# Altium PCB PCB3_factory.PcbDoc (part 3 of 3)
Units mil, origin at the board's own origin, x right, y up, seen from the top; angles counter-clockwise.
Board outline 3547.27 x 5122.08 mil, 2 copper layers (Top Layer, Bottom Layer); 55 components, 55 nets, 298 pads, 89 vias.
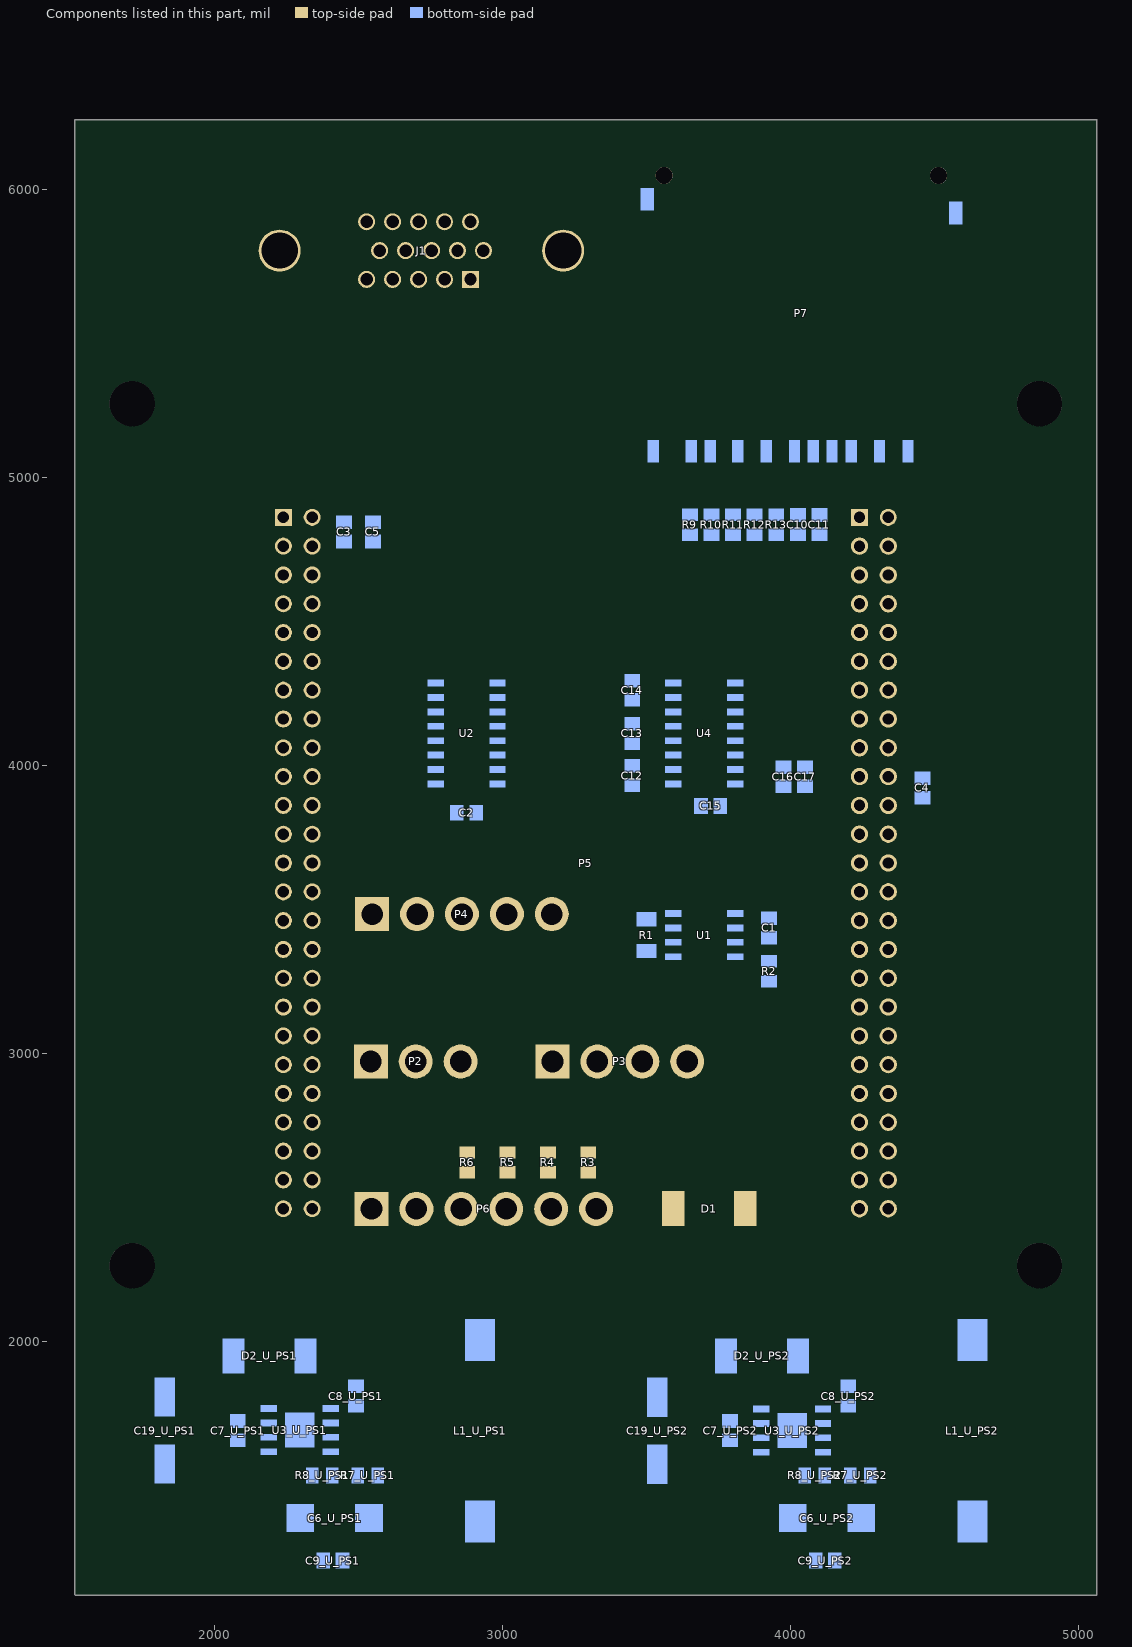
[diagram p3: the components of this part, seen from the top]

## Via types
v1: diameter 35.43/35.43 (per signal layer), hole 11.81, Top Layer to Bottom Layer, tented both sides, 63 vias
v2: diameter 47.24/47.24 (per signal layer), hole 19.68, Top Layer to Bottom Layer, tented both sides, 14 vias
v3: diameter 35.43, hole 11.81, Top Layer to Bottom Layer, tented both sides, 12 vias

## Nets (pads, with @x,y where several pads share a name; then routed paths per layer and width w, separated by ;. In a path a pad name is that pad's centre, name@x,y a point inside that pad or via, vN(x,y) a via of type N, cw(c..) or ccw(c..) an arc to the next point about the centre after c; other vN are vias at no path point) (continued)
copper on no net: (continued)
  Bottom Layer w1: 1866.05,3105 1866.05,3488 ; 1866.05,3493 1866.05,3502 ; 1866.05,3507 1866.05,3509 ; 1866.05,3546 1866.05,3566 ; 1866.05,3570 1866.05,3603 ; 1866.05,3608 1866.05,3726 ; 1867.05,3105 1867.05,3488 ; 1867.05,3493 1867.05,3502 ; 1867.05,3507 1867.05,3510 ; 1867.05,3547 1867.05,3560 ; 1867.05,3563 1867.05,3565 ; 1867.05,3570 1867.05,3603 ; 1867.05,3608 1867.05,3726 ; 1868.05,3105 1868.05,3488 ; 1868.05,3494 1868.05,3501 ; 1868.05,3507 1868.05,3511 ; 1868.05,3547 1868.05,3560 ; 1868.05,3564 1868.05,3565 ; 1868.05,3570 1868.05,3604 ; 1868.05,3609 1868.05,3726 ; 1869.05,3105 1869.05,3488 ; 1869.05,3494 1869.05,3501 ; 1869.05,3507 1869.05,3512 ; 1869.05,3547 1869.05,3560 ; 1869.05,3564 1869.05,3565 ; 1869.05,3570 1869.05,3604 ; 1869.05,3610 1869.05,3726 ; 1870.05,3105 1870.05,3489 ; 1870.05,3494 1870.05,3501 ; 1870.05,3506 1870.05,3512 ; 1870.05,3547 1870.05,3560 ; 1870.05,3564 1870.05,3565 ; 1870.05,3570 1870.05,3605 ; 1870.05,3611 1870.05,3726 ; 1871.05,3105 1871.05,3489 ; 1871.05,3494 1871.05,3501 ; 1871.05,3506 1871.05,3513 ; 1871.05,3547 1871.05,3560 ; 1871.05,3569 1871.05,3605 ; 1871.05,3612 1871.05,3726 ; 1872.05,3105 1872.05,3489 ; 1872.05,3494 1872.05,3501 ; 1872.05,3506 1872.05,3514 ; 1872.05,3547 1872.05,3560 ; 1872.05,3569 1872.05,3606 ; 1872.05,3614 1872.05,3726 ; 1873.05,3105 1873.05,3489 ; 1873.05,3494 1873.05,3501 ; 1873.05,3505 1873.05,3515 ; 1873.05,3547 1873.05,3560 ; 1873.05,3569 1873.05,3607 ; 1873.05,3618 1873.05,3726 ; 1874.05,3105 1874.05,3489 ; 1874.05,3494 1874.05,3501 ; 1874.05,3505 1874.05,3516 ; 1874.05,3547 1874.05,3560 ; 1874.05,3568 1874.05,3607 ; 1874.05,3621 1874.05,3726 ; 1875.05,3105 1875.05,3489 ; 1875.05,3494 1875.05,3500 ; 1875.05,3505 1875.05,3516 ; 1875.05,3547 1875.05,3560 ; 1875.05,3568 1875.05,3608 ; 1875.05,3625 1875.05,3726 ; 1876.05,3105 1876.05,3488 ; 1876.05,3494 1876.05,3500 ; 1876.05,3505 1876.05,3517 ; 1876.05,3547 1876.05,3560 ; 1876.05,3568 1876.05,3609 ; 1876.05,3629 1876.05,3726 ; 1877.05,3105 1877.05,3488 ; 1877.05,3494 1877.05,3500 ; 1877.05,3505 1877.05,3518 ; 1877.05,3547 1877.05,3561 ; 1877.05,3567 1877.05,3609 ; 1877.05,3633 1877.05,3726 ; 1878.05,3105 1878.05,3488 ; 1878.05,3493 1878.05,3500 ; 1878.05,3505 1878.05,3519 ; 1878.05,3547 1878.05,3561 ; 1878.05,3567 1878.05,3610 ; 1878.05,3616 1878.05,3619 ; 1878.05,3637 1878.05,3726 ; 1879.05,3105 1879.05,3488 ; 1879.05,3493 1879.05,3500 ; 1879.05,3505 1879.05,3519 ; 1879.05,3548 1879.05,3561 ; 1879.05,3566 1879.05,3611 ; 1879.05,3617 1879.05,3623 ; 1879.05,3643 1879.05,3726 ; 1880.05,3105 1880.05,3487 ; 1880.05,3493 1880.05,3501 ; 1880.05,3505 1880.05,3520 ; 1880.05,3548 1880.05,3561 ; 1880.05,3566 1880.05,3611 ; 1880.05,3618 1880.05,3627 ; 1880.05,3649 1880.05,3726 ; 1881.05,3105 1881.05,3487 ; 1881.05,3493 1881.05,3501 ; 1881.05,3505 1881.05,3521 ; 1881.05,3548 1881.05,3561 ; 1881.05,3567 1881.05,3612 ; 1881.05,3619 1881.05,3630 ; 1881.05,3655 1881.05,3726 ; 1882.05,3105 1882.05,3487 ; 1882.05,3493 1882.05,3501 ; 1882.05,3505 1882.05,3522 ; 1882.05,3548 1882.05,3561 ; 1882.05,3567 1882.05,3613 ; 1882.05,3619 1882.05,3634 ; 1882.05,3665 1882.05,3680 ; 1882.05,3690 1882.05,3726 ; 1883.05,3105 1883.05,3487 ; 1883.05,3493 1883.05,3501 ; 1883.05,3505 1883.05,3519 ; 1883.05,3521 1883.05,3523 ; 1883.05,3548 1883.05,3561 ; 1883.05,3567 1883.05,3614 ; 1883.05,3619 1883.05,3639 ; 1883.05,3690 1883.05,3726 ; 1884.05,3105 1884.05,3487 ; 1884.05,3493 1884.05,3501 ; 1884.05,3506 1884.05,3517 ; 1884.05,3522 1884.05,3524 ; 1884.05,3548 1884.05,3561 ; 1884.05,3567 1884.05,3615 ; 1884.05,3619 1884.05,3646 ; 1884.05,3686 1884.05,3726 ; 1885.05,3105 1885.05,3487 ; 1885.05,3493 1885.05,3501 ; 1885.05,3506 1885.05,3516 ; 1885.05,3523 1885.05,3525 ; 1885.05,3548 1885.05,3561 ; 1885.05,3567 1885.05,3654 ; 1885.05,3678 1885.05,3726 ; 1886.05,3105 1886.05,3487 ; 1886.05,3493 1886.05,3501 ; 1886.05,3506 1886.05,3514 ; 1886.05,3524 1886.05,3526 ; 1886.05,3548 1886.05,3561 ; 1886.05,3567 1886.05,3726 ; 1887.05,3105 1887.05,3487 ; 1887.05,3493 1887.05,3501 ; 1887.05,3506 1887.05,3513 ; 1887.05,3525 1887.05,3527 ; 1887.05,3548 1887.05,3562 ; 1887.05,3567 1887.05,3726 ; 1888.05,3105 1888.05,3487 ; 1888.05,3493 1888.05,3501 ; 1888.05,3506 1888.05,3511 ; 1888.05,3525 1888.05,3529 ; 1888.05,3548 1888.05,3562 ; 1888.05,3567 1888.05,3726 ; 1889.05,3105 1889.05,3487 ; 1889.05,3493 1889.05,3501 ; 1889.05,3506 1889.05,3509 ; 1889.05,3520 1889.05,3530 ; 1889.05,3548 1889.05,3562 ; 1889.05,3567 1889.05,3726 ; 1890.05,3105 1890.05,3487 ; 1890.05,3493 1890.05,3502 ; 1890.05,3506 1890.05,3508 ; 1890.05,3518 1890.05,3531 ; 1890.05,3548 1890.05,3562 ; 1890.05,3567 1890.05,3726 ; 1891.05,3105 1891.05,3481 ; 1891.05,3485 1891.05,3487 ; 1891.05,3493 1891.05,3502 ; 1891.05,3506 1891.05,3507 ; 1891.05,3517 1891.05,3533 ; 1891.05,3548 1891.05,3562 ; 1891.05,3567 1891.05,3726 ; 1892.05,3105 1892.05,3479 ; 1892.05,3485 1892.05,3487 ; 1892.05,3492 1892.05,3502 ; 1892.05,3506 1892.05,3507 ; 1892.05,3515 1892.05,3534 ; 1892.05,3548 1892.05,3562 ; 1892.05,3567 1892.05,3726 ; 1893.05,3105 1893.05,3476 ; 1893.05,3485 1893.05,3487 ; 1893.05,3490 1893.05,3492 ; 1893.05,3493 1893.05,3502 ; 1893.05,3506 1893.05,3507 ; 1893.05,3514 1893.05,3536 ; 1893.05,3549 1893.05,3562 ; 1893.05,3567 1893.05,3726 ; 1894.05,3105 1894.05,3474 ; 1894.05,3485 1894.05,3491 ; 1894.05,3494 1894.05,3502 ; 1894.05,3506 1894.05,3507 ; 1894.05,3513 1894.05,3537 ; 1894.05,3549 1894.05,3562 ; 1894.05,3566 1894.05,3726 ; 1895.05,3105 1895.05,3471 ; 1895.05,3485 1895.05,3487 ; 1895.05,3489 1895.05,3491 ; 1895.05,3495 1895.05,3502 ; 1895.05,3506 1895.05,3507 ; 1895.05,3512 1895.05,3539 ; 1895.05,3549 1895.05,3562 ; 1895.05,3566 1895.05,3726 ; 1896.05,3105 1896.05,3469 ; 1896.05,3484 1896.05,3487 ; 1896.05,3491 1896.05,3492 ; 1896.05,3496 1896.05,3502 ; 1896.05,3506 1896.05,3507 ; 1896.05,3511 1896.05,3541 ; 1896.05,3550 1896.05,3561 ; 1896.05,3566 1896.05,3726 ; 1897.05,3105 1897.05,3466 ; 1897.05,3482 1897.05,3488 ; 1897.05,3497 1897.05,3501 ; 1897.05,3506 1897.05,3507 ; 1897.05,3509 1897.05,3544 ; 1897.05,3550 1897.05,3561 ; 1897.05,3566 1897.05,3726 ; 1898.05,3105 1898.05,3463 ; 1898.05,3480 1898.05,3489 ; 1898.05,3498 1898.05,3501 ; 1898.05,3506 1898.05,3507 ; 1898.05,3508 1898.05,3544 ; 1898.05,3550 1898.05,3561 ; 1898.05,3566 1898.05,3726 ; 1899.05,3105 1899.05,3460 ; 1899.05,3478 1899.05,3490 ; 1899.05,3499 1899.05,3500 ; 1899.05,3505 1899.05,3544 ; 1899.05,3551 1899.05,3561 ; 1899.05,3566 1899.05,3726 ; 1900.05,3105 1900.05,3457 ; 1900.05,3476 1900.05,3491 ; 1900.05,3505 1900.05,3545 ; 1900.05,3551 1900.05,3561 ; 1900.05,3566 1900.05,3726 ; 1901.05,3105 1901.05,3454 ; 1901.05,3473 1901.05,3492 ; 1901.05,3505 1901.05,3545 ; 1901.05,3551 1901.05,3561 ; 1901.05,3566 1901.05,3726 ; 1902.05,3105 1902.05,3450 ; 1902.05,3470 1902.05,3494 ; 1902.05,3504 1902.05,3545 ; 1902.05,3552 1902.05,3561 ; 1902.05,3566 1902.05,3726 ; 1903.05,3105 1903.05,3447 ; 1903.05,3467 1903.05,3492 ; 1903.05,3494 1903.05,3496 ; 1903.05,3503 1903.05,3546 ; 1903.05,3552 1903.05,3561 ; 1903.05,3566 1903.05,3568 ; 1903.05,3572 1903.05,3726 ; 1904.05,3105 1904.05,3444 ; 1904.05,3464 1904.05,3490 ; 1904.05,3496 1904.05,3546 ; 1904.05,3553 1904.05,3561 ; 1904.05,3566 1904.05,3568 ; 1904.05,3575 1904.05,3726 ; 1905.05,3105 1905.05,3440 ; 1905.05,3461 1905.05,3488 ; 1905.05,3498 1905.05,3547 ; 1905.05,3553 1905.05,3562 ; 1905.05,3567 1905.05,3568 ; 1905.05,3577 1905.05,3726 ; 1906.05,3105 1906.05,3436 ; 1906.05,3457 1906.05,3486 ; 1906.05,3498 1906.05,3547 ; 1906.05,3553 1906.05,3562 ; 1906.05,3567 1906.05,3568 ; 1906.05,3580 1906.05,3726 ; 1907.05,3105 1907.05,3433 ; 1907.05,3454 1907.05,3484 ; 1907.05,3497 1907.05,3548 ; 1907.05,3554 1907.05,3563 ; 1907.05,3568 1907.05,3569 ; 1907.05,3582 1907.05,3726 ; 1908.05,3105 1908.05,3429 ; 1908.05,3450 1908.05,3481 ; 1908.05,3495 1908.05,3548 ; 1908.05,3554 1908.05,3563 ; 1908.05,3568 1908.05,3569 ; 1908.05,3585 1908.05,3726 ; 1909.05,3105 1909.05,3425 ; 1909.05,3446 1909.05,3478 ; 1909.05,3493 1909.05,3549 ; 1909.05,3555 1909.05,3564 ; 1909.05,3568 1909.05,3569 ; 1909.05,3587 1909.05,3726 ; 1910.05,3105 1910.05,3420 ; 1910.05,3443 1910.05,3476 ; 1910.05,3491 1910.05,3549 ; 1910.05,3555 1910.05,3564 ; 1910.05,3569 1910.05,3570 ; 1910.05,3589 1910.05,3726 ; 1911.05,3105 1911.05,3416 ; 1911.05,3439 1911.05,3473 ; 1911.05,3489 1911.05,3550 ; 1911.05,3556 1911.05,3567 ; 1911.05,3569 1911.05,3570 ; 1911.05,3592 1911.05,3726 ; 1912.05,3105 1912.05,3411 ; 1912.05,3435 1912.05,3470 ; 1912.05,3486 1912.05,3551 ; 1912.05,3557 1912.05,3572 ; 1912.05,3594 1912.05,3726 ; 1913.05,3105 1913.05,3406 ; 1913.05,3431 1913.05,3466 ; 1913.05,3484 1913.05,3551 ; 1913.05,3557 1913.05,3576 ; 1913.05,3596 1913.05,3726 ; 1914.05,3105 1914.05,3400 ; 1914.05,3427 1914.05,3463 ; 1914.05,3481 1914.05,3552 ; 1914.05,3558 1914.05,3567 ; 1914.05,3569 1914.05,3579 ; 1914.05,3598 1914.05,3726 ; 1915.05,3105 1915.05,3395 ; 1915.05,3422 1915.05,3459 ; 1915.05,3477 1915.05,3553 ; 1915.05,3559 1915.05,3566 ; 1915.05,3569 1915.05,3570 ; 1915.05,3572 1915.05,3582 ; 1915.05,3600 1915.05,3726 ; 1916.05,3105 1916.05,3390 ; 1916.05,3418 1916.05,3456 ; 1916.05,3474 1916.05,3553 ; 1916.05,3559 1916.05,3564 ; 1916.05,3572 1916.05,3585 ; 1916.05,3603 1916.05,3726 ; 1917.05,3105 1917.05,3385 ; 1917.05,3413 1917.05,3452 ; 1917.05,3471 1917.05,3554 ; 1917.05,3561 1917.05,3563 ; 1917.05,3572 1917.05,3588 ; 1917.05,3605 1917.05,3726 ; 1918.05,3105 1918.05,3379 ; 1918.05,3408 1918.05,3448 ; 1918.05,3467 1918.05,3555 ; 1918.05,3572 1918.05,3590 ; 1918.05,3607 1918.05,3726 ; 1919.05,3105 1919.05,3374 ; 1919.05,3403 1919.05,3444 ; 1919.05,3463 1919.05,3556 ; 1919.05,3571 1919.05,3593 ; 1919.05,3609 1919.05,3726 ; 1920.05,3105 1920.05,3369 ; 1920.05,3397 1920.05,3439 ; 1920.05,3459 1920.05,3556 ; 1920.05,3569 1920.05,3596 ; 1920.05,3611 1920.05,3726 ; 1921.05,3105 1921.05,3363 ; 1921.05,3392 1921.05,3435 ; 1921.05,3455 1921.05,3558 ; 1921.05,3567 1921.05,3569 ; 1921.05,3573 1921.05,3598 ; 1921.05,3614 1921.05,3726 ; 1922.05,3105 1922.05,3358 ; 1922.05,3386 1922.05,3430 ; 1922.05,3451 1922.05,3559 ; 1922.05,3565 1922.05,3567 ; 1922.05,3577 1922.05,3600 ; 1922.05,3616 1922.05,3726 ; 1923.05,3105 1923.05,3352 ; 1923.05,3380 1923.05,3425 ; 1923.05,3447 1923.05,3563 ; 1923.05,3580 1923.05,3603 ; 1923.05,3618 1923.05,3726 ; 1924.05,3105 1924.05,3346 ; 1924.05,3373 1924.05,3420 ; 1924.05,3443 1924.05,3563 ; 1924.05,3584 1924.05,3605 ; 1924.05,3620 1924.05,3726 ; 1925.05,3105 1925.05,3340 ; 1925.05,3367 1925.05,3415 ; 1925.05,3438 1925.05,3564 ; 1925.05,3587 1925.05,3607 ; 1925.05,3622 1925.05,3726 ; 1926.05,3105 1926.05,3332 ; 1926.05,3359 1926.05,3409 ; 1926.05,3434 1926.05,3567 ; 1926.05,3590 1926.05,3610 ; 1926.05,3624 1926.05,3726 ; 1927.05,3105 1927.05,3323 ; 1927.05,3350 1927.05,3403 ; 1927.05,3429 1927.05,3571 ; 1927.05,3593 1927.05,3612 ; 1927.05,3626 1927.05,3726 ; 1928.05,3105 1928.05,3323 ; 1928.05,3339 1928.05,3397 ; 1928.05,3424 1928.05,3575 ; 1928.05,3596 1928.05,3614 ; 1928.05,3628 1928.05,3726 ; 1929.05,3105 1929.05,3391 ; 1929.05,3419 1929.05,3578 ; 1929.05,3598 1929.05,3616 ; 1929.05,3630 1929.05,3726 ; 1930.05,3105 1930.05,3385 ; 1930.05,3414 1930.05,3582 ; 1930.05,3601 1930.05,3618 ; 1930.05,3632 1930.05,3726 ; 1931.05,3105 1931.05,3378 ; 1931.05,3409 1931.05,3586 ; 1931.05,3603 1931.05,3620 ; 1931.05,3634 1931.05,3726 ; 1932.05,3105 1932.05,3370 ; 1932.05,3403 1932.05,3589 ; 1932.05,3606 1932.05,3622 ; 1932.05,3635 1932.05,3726 ; 1933.05,3105 1933.05,3362 ; 1933.05,3397 1933.05,3592 ; 1933.05,3608 1933.05,3624 ; 1933.05,3637 1933.05,3726 ; 1934.05,3105 1934.05,3238 ; 1934.05,3241 1934.05,3353 ; 1934.05,3391 1934.05,3595 ; 1934.05,3610 1934.05,3626 ; 1934.05,3639 1934.05,3726 ; 1935.05,3105 1935.05,3238 ; 1935.05,3259 1935.05,3342 ; 1935.05,3385 1935.05,3598 ; 1935.05,3613 1935.05,3628 ; 1935.05,3641 1935.05,3726 ; 1936.05,3105 1936.05,3238 ; 1936.05,3280 1936.05,3329 ; 1936.05,3377 1936.05,3601 ; 1936.05,3615 1936.05,3630 ; 1936.05,3642 1936.05,3726 ; 1937.05,3105 1937.05,3249 ; 1937.05,3369 1937.05,3604 ; 1937.05,3617 1937.05,3632 ; 1937.05,3644 1937.05,3726 ; 1938.05,3105 1938.05,3256 ; 1938.05,3361 1938.05,3606 ; 1938.05,3619 1938.05,3634 ; 1938.05,3646 1938.05,3726 ; 1939.05,3105 1939.05,3265 ; 1939.05,3353 1939.05,3609 ; 1939.05,3621 1939.05,3636 ; 1939.05,3647 1939.05,3726 ; 1940.05,3105 1940.05,3273 ; 1940.05,3344 1940.05,3611 ; 1940.05,3624 1940.05,3638 ; 1940.05,3649 1940.05,3726 ; 1941.05,3105 1941.05,3307 ; 1941.05,3333 1941.05,3614 ; 1941.05,3626 1941.05,3639 ; 1941.05,3650 1941.05,3726 ; 1942.05,3105 1942.05,3616 ; 1942.05,3628 1942.05,3641 ; 1942.05,3652 1942.05,3726 ; 1943.05,3105 1943.05,3618 ; 1943.05,3630 1943.05,3643 ; 1943.05,3654 1943.05,3726 ; 1944.05,3105 1944.05,3620 ; 1944.05,3632 1944.05,3644 ; 1944.05,3655 1944.05,3726 ; 1945.05,3105 1945.05,3623 ; 1945.05,3634 1945.05,3646 ; 1945.05,3657 1945.05,3726 ; 1946.05,3105 1946.05,3625 ; 1946.05,3636 1946.05,3648 ; 1946.05,3658 1946.05,3726 ; 1947.05,3105 1947.05,3627 ; 1947.05,3638 1947.05,3649 ; 1947.05,3660 1947.05,3726 ; 1948.05,3105 1948.05,3629 ; 1948.05,3639 1948.05,3651 ; 1948.05,3662 1948.05,3726 ; 1949.05,3105 1949.05,3632 ; 1949.05,3641 1949.05,3653 ; 1949.05,3663 1949.05,3726 ; 1950.05,3105 1950.05,3634 ; 1950.05,3643 1950.05,3654 ; 1950.05,3665 1950.05,3726 ; 1951.05,3105 1951.05,3636 ; 1951.05,3645 1951.05,3656 ; 1951.05,3666 1951.05,3726 ; 1952.05,3105 1952.05,3638 ; 1952.05,3647 1952.05,3658 ; 1952.05,3668 1952.05,3726 ; 1953.05,3105 1953.05,3640 ; 1953.05,3649 1953.05,3659 ; 1953.05,3669 1953.05,3726 ; 1954.05,3105 1954.05,3642 ; 1954.05,3651 1954.05,3661 ; 1954.05,3671 1954.05,3726 ; 1955.05,3105 1955.05,3644 ; 1955.05,3653 1955.05,3663 ; 1955.05,3672 1955.05,3726 ; 1956.05,3105 1956.05,3646 ; 1956.05,3654 1956.05,3664 ; 1956.05,3674 1956.05,3726 ; 1957.05,3105 1957.05,3648 ; 1957.05,3656 1957.05,3666 ; 1957.05,3675 1957.05,3726 ; 1958.05,3105 1958.05,3650 ; 1958.05,3658 1958.05,3668 ; 1958.05,3677 1958.05,3726 ; 1959.05,3105 1959.05,3652 ; 1959.05,3659 1959.05,3669 ; 1959.05,3678 1959.05,3726 ; 1960.05,3105 1960.05,3654 ; 1960.05,3661 1960.05,3671 ; 1960.05,3680 1960.05,3726 ; 1961.05,3105 1961.05,3656 ; 1961.05,3662 1961.05,3673 ; 1961.05,3681 1961.05,3726 ; 1962.05,3105 1962.05,3658 ; 1962.05,3664 1962.05,3674 ; 1962.05,3683 1962.05,3726 ; 1963.05,3105 1963.05,3661 ; 1963.05,3666 1963.05,3676 ; 1963.05,3684 1963.05,3726 ; 1964.05,3105 1964.05,3663 ; 1964.05,3666 1964.05,3677 ; 1964.05,3685 1964.05,3726 ; 1965.05,3105 1965.05,3665 ; 1965.05,3666 1965.05,3679 ; 1965.05,3687 1965.05,3726 ; 1966.05,3105 1966.05,3680 ; 1966.05,3688 1966.05,3726 ; 1967.05,3105 1967.05,3682 ; 1967.05,3689 1967.05,3726 ; 1968.05,3105 1968.05,3683 ; 1968.05,3691 1968.05,3726 ; 1969.05,3105 1969.05,3685 ; 1969.05,3692 1969.05,3726 ; 1970.05,3105 1970.05,3686 ; 1970.05,3693 1970.05,3726 ; 1971.05,3105 1971.05,3688 ; 1971.05,3694 1971.05,3726 ; 1972.05,3105 1972.05,3689 ; 1972.05,3695 1972.05,3726 ; 1973.05,3105 1973.05,3691 ; 1973.05,3696 1973.05,3726 ; 1974.05,3105 1974.05,3693 ; 1974.05,3698 1974.05,3726 ; 1975.05,3105 1975.05,3694 ; 1975.05,3699 1975.05,3726 ; 1976.05,3105 1976.05,3696 ; 1976.05,3700 1976.05,3726 ; 1977.05,3105 1977.05,3697 ; 1977.05,3700 1977.05,3726 ; 1978.05,3105 1978.05,3699 ; 1978.05,3700 1978.05,3726 ; 1979.05,3105 1979.05,3726 ; 1980.05,3105 1980.05,3726 ; 1981.05,3105 1981.05,3726 ; 1982.05,3105 1982.05,3726 ; 1983.05,3105 1983.05,3726 ; 1984.05,3105 1984.05,3726 ; 1985.05,3105 1985.05,3726 ; 1986.05,3105 1986.05,3726 ; 1987.05,3105 1987.05,3726 ; 1988.05,3105 1988.05,3726 ; 1989.05,3105 1989.05,3726 ; 1990.05,3105 1990.05,3726 ; 1991.05,3105 1991.05,3726 ; 1992.05,3105 1992.05,3726 ; 1993.05,3105 1993.05,3726 ; 1994.05,3105 1994.05,3726 ; 1995.05,3105 1995.05,3726 ; 1996.05,3105 1996.05,3726 ; 1997.05,3105 1997.05,3726 ; 1998.05,3105 1998.05,3726 ; 1999.05,3105 1999.05,3726 ; 2000.05,3105 2000.05,3726

## Polygon pours and split planes (outlines as drawn)
GND on Top Layer "Top Layer GND" (solid, remove dead copper, pour order 0): 1517.32,1121.02 5060.63,1121.02 5060.63,6239.13 1517.32,6239.13
GND on Bottom Layer "Bottom Layer GND" (solid, remove dead copper, pour order 2): 1517.32,1121.02 5060.63,1121.02 5060.63,6239.13 1517.32,6239.13

## Keep-outs
Keep-Out Layer:
  lines w10: 1517.32,1121.02 1517.32,6239.13 5060.63,6239.13 5060.63,1121.02 1517.32,1121.02

## Other copper
Top Layer:
  region net GND: 3737.32,2251.02 3737.32,2090 4091.65,2090 4091.65,1610 4020,1610 4020,1190 3240,1190 3240,1810 2800,1810 2360,1810 2360,1310 1660,1310 1660,2010 2560,2010 2560,2090 3240,2090 3657.32,2090 3657.32,2251.02
  region net +12V: 3787.32,2171.02 3787.32,2551.02 3887.32,2551.02 3887.32,2251.02 3967.32,2251.02 3967.32,2171.02 3887.32,2171.02
Bottom Layer:
  region net NetC8_U_PS2_2: 3921.65,1769.61 3851.65,1769.61 3721.65,1769.61 3721.65,2089.61 4691.65,2089.61 4691.65,1879.61 4241.65,1879.61 4241.65,1819.61 4161.65,1819.61 4161.65,1879.61 4161.65,2039.61 3851.65,2039.61 3851.65,1809.61 3921.65,1809.61
  region net +12V: 3921.65,1739.61 3851.65,1739.61 3851.65,1749.61 3681.65,1749.61 3681.65,2090 3361.65,2090 3361.65,1699.61 3921.65,1699.61
  region net NetR7_U_PS2_1: 4091.65,1629.61 4171.65,1629.61 4171.65,1549.61 4221.65,1549.61 4221.65,1529.61 4111.65,1529.61 4111.65,1549.61 4151.65,1549.61 4151.65,1609.61 4091.65,1609.61
  region net +5V: 4131.65,1209.61 4131.65,1459.61 4691.65,1459.61 4691.65,1289.61 4251.65,1289.61 4251.65,1209.61
  region net +3V3: 2420.79,1210 2420.79,1460 2980.79,1460 2980.79,1290 2540.79,1290 2540.79,1210
  region net NetR7_U_PS1_1: 2380.79,1630 2460.79,1630 2460.79,1550 2510.79,1550 2510.79,1530 2400.79,1530 2400.79,1550 2440.79,1550 2440.79,1610 2380.79,1610
  region net GND: 2210.79,1680 1650.79,1680 1650.79,1210 2360.79,1210 2360.79,2020 2230.79,2020 2230.79,1580 2140.79,1580 2140.79,1650 2210.79,1650
  region net +12V: 2210.79,1740 2140.79,1740 2140.79,1750 1970.79,1750 1970.79,2090 1680,2090 1650.79,2060.79 1650.79,1700 2210.79,1700
  region net NetC8_U_PS1_2: 2210.79,1770 2140.79,1770 2010.79,1770 2010.79,2090 2980.79,2090 2980.79,1880 2530.79,1880 2530.79,1820 2450.79,1820 2450.79,1880 2450.79,2040 2140.79,2040 2140.79,1810 2210.79,1810
  region net +12V: 3967.32,2250 1840,2250 1680,2090 1970.79,2090 1970.79,2170 3360,2170 3360,2090 3681.65,2090 3680,2091.65 3680,2170 3967.32,2170
  region net GND: 3920,1680 3360,1680 3360,1210 4070,1210 4070,2020 3940,2020 3940,1580 3850,1580 3850,1650 3920,1650
  text "v 1.1    2016" at 1695,3870 h60 r270

## Text inside footprints (layer, text, board x,y; h text height)
J1: Bottom Overlay "15" at 2468.51,5861.38 h50; Bottom Overlay "1" at 2968.51,5661.38 h50
P5: Top Overlay "2" at 2320,4965 h50 r270; Top Overlay "1" at 2218.98,4960.39 h50 r270; Top Overlay "49" at 2218.98,2380.39 h50 r270; Top Overlay "50" at 2318.98,2380.39 h50 r270; Top Overlay "100" at 4318.98,2380.39 h50 r270; Top Overlay "99" at 4218.98,2380.39 h50 r270; Top Overlay "51" at 4199.61,5017.87 h50 r270; Top Overlay "52" at 4317.32,5021.02 h50 r270